# Allegro board 1281021_HW-FMC-XM500_Rev1_0.brd (continued)
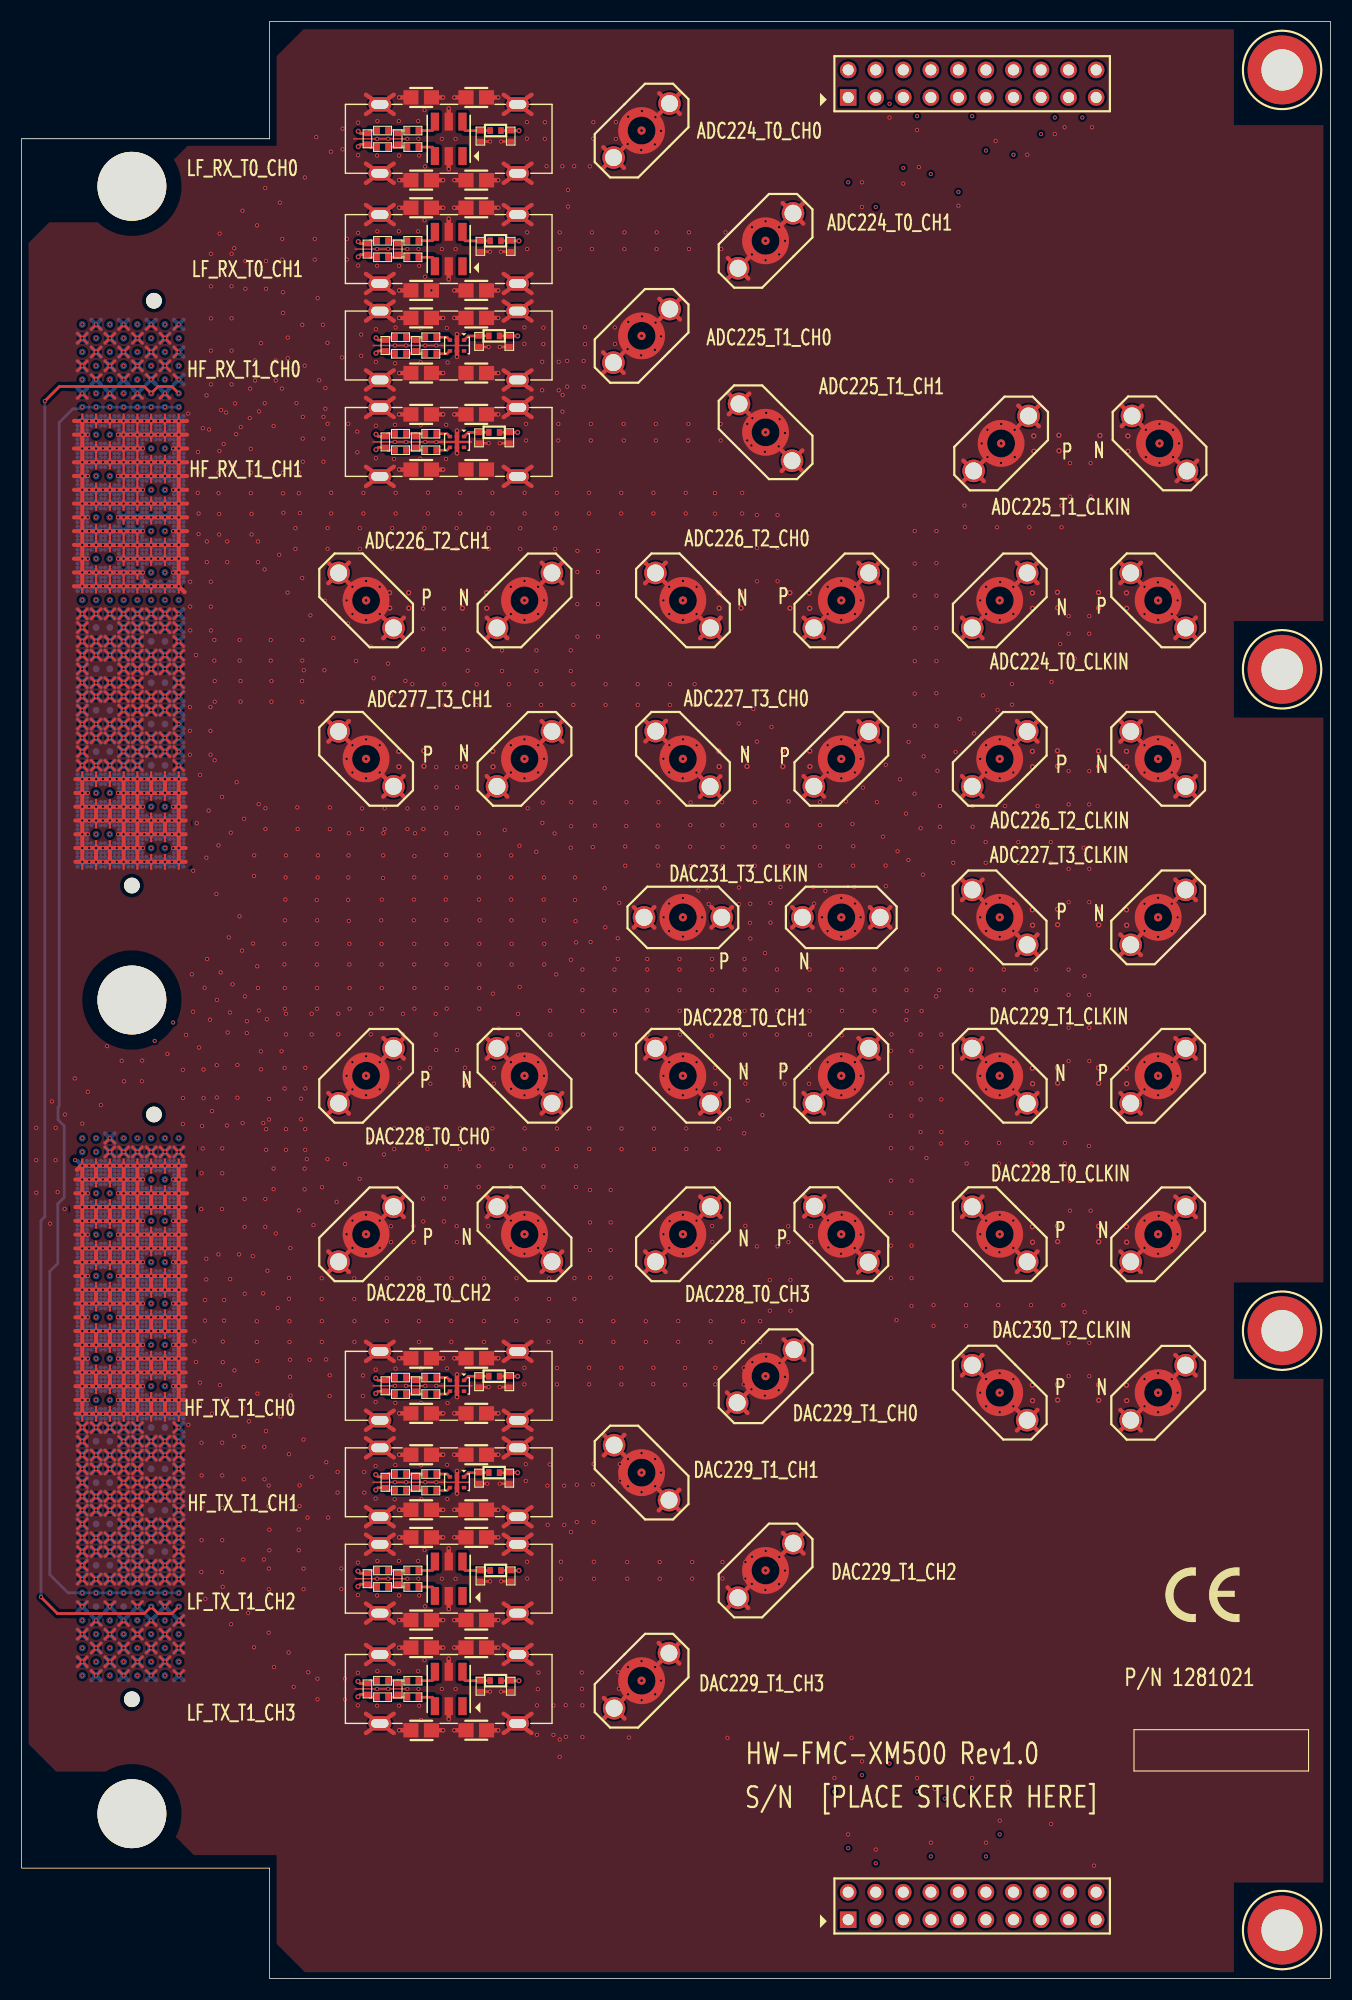
[diagram p0: board, top side]
## Routing (per net, layer and track width the routed paths; a pad name or vN(x,y) marks a point on that pad's centre or on a via; arc(x,y) is an arc through that point) (continued)
  L02_GND/RF-SIG w0.127: v1(32.67,149.79) 32.3,150.15 arc(32.14,150.27) 31.94,150.3 29.64,150.3 arc(29.4,150.26) 29.19,150.12 18.92,139.84 arc(18.59,139.62) 18.2,139.55 17.58,139.55 arc(17.47,139.5) 17.43,139.4 arc(17.38,139.29) 17.28,139.24 16.82,139.24 arc(16.71,139.29) 16.67,139.4 arc(16.62,139.5) 16.51,139.55 15.98,139.55 arc(15.73,139.5) 15.53,139.36 15.37,139.21 arc(15.04,138.99) 14.65,138.91 9.15,138.91
RFMC_ADC_02_P: length 33.1
  TOP w0.241: v1(32.67,151.2) 32.87,151 R45.1 33.79,151.26 R43.2
  L02_GND/RF-SIG w0.104: 9.15,139.29 9.12,139.29 9.04,139.21 7.71,139.21 arc(7.48,139.11) 7.38,138.88 7.38,138.57 arc(7.35,138.5) 7.28,138.46 v2(6.86,138.46)
  L02_GND/RF-SIG w0.127: 9.15,139.29 14.65,139.29 arc(14.9,139.34) 15.1,139.48 15.26,139.63 arc(15.59,139.85) 15.98,139.93 18.2,139.93 arc(18.44,139.98) 18.65,140.11 28.92,150.39 arc(29.25,150.61) 29.64,150.69 31.94,150.69 arc(32.14,150.72) 32.3,150.84 v1(32.67,151.2)
RFMC_ADC_03_N: length 33.9
  TOP w0.241: v1(32.67,140.9) 32.87,141.1 R38.2 33.79,140.84 R41.2
  L02_GND/RF-SIG w0.104: v2(13.21,137.19) 12.79,137.19 arc(12.71,137.23) 12.68,137.3 12.68,137.61 arc(12.71,137.69) 12.79,137.72 14.12,137.72 14.2,137.64 14.23,137.64
  L02_GND/RF-SIG w0.127: v1(32.67,140.9) 32.3,141.26 arc(32.14,141.38) 31.94,141.41 29.98,141.41 arc(29.26,141.71) 28.96,142.43 28.96,144.8 arc(28.78,145.25) 28.33,145.43 27.69,145.43 arc(27.24,145.25) 27.06,144.8 27.06,138.65 arc(26.76,137.94) 26.04,137.64 19.5,137.64 arc(19.4,137.59) 19.35,137.49 arc(19.31,137.38) 19.2,137.34 18.74,137.34 arc(18.63,137.38) 18.59,137.49 arc(18.55,137.59) 18.44,137.64 14.23,137.64
RFMC_ADC_03_P: length 33.9
  TOP w0.241: v1(32.67,142.31) 32.87,142.11 R38.1 33.79,142.37 R35.2
  L02_GND/RF-SIG w0.104: v2(11.94,137.19) 12.36,137.19 arc(12.43,137.23) 12.46,137.3 12.46,137.61 arc(12.56,137.84) 12.79,137.94 14.12,137.94 14.2,138.02 14.23,138.02
  L02_GND/RF-SIG w0.127: v1(32.67,142.31) 32.3,141.95 arc(32.14,141.83) 31.94,141.8 29.98,141.8 arc(29.53,141.98) 29.34,142.43 29.34,144.8 arc(29.05,145.52) 28.33,145.82 27.69,145.82 arc(26.97,145.52) 26.67,144.8 26.67,138.65 arc(26.49,138.21) 26.04,138.02 14.23,138.02
RFMC_ADC_04_N: length 78
  L02_GND/RF-SIG w0.104: 9.15,135.1 9.12,135.1 9.04,135.18 7.71,135.18 arc(7.63,135.15) 7.6,135.07 7.6,134.76 arc(7.63,134.69) 7.71,134.65 v2(8.13,134.65)
  L02_GND/RF-SIG w0.127: 9.15,135.1 14.62,135.1 arc(15.01,135.18) 15.33,135.4 15.53,135.59 arc(15.74,135.73) 15.98,135.78 67.91,135.78 arc(68.36,135.59) 68.54,135.15 68.54,127.63 arc(68.36,127.19) 67.91,127 v1(60.96,127)
RFMC_ADC_04_P: length 78
  L02_GND/RF-SIG w0.104: v2(6.86,134.65) 7.28,134.65 arc(7.35,134.69) 7.38,134.76 7.38,135.07 arc(7.48,135.3) 7.71,135.4 9.04,135.4 9.12,135.48 9.15,135.48
  L02_GND/RF-SIG w0.127: v1(75.56,127) 69.57,127 arc(69.12,127.19) 68.93,127.63 68.93,135.15 arc(68.64,135.86) 67.92,136.16 15.98,136.16 arc(15.59,136.08) 15.26,135.86 15.07,135.67 arc(14.86,135.53) 14.62,135.48 9.15,135.48
RFMC_ADC_05_N: length 77.9
  L02_GND/RF-SIG w0.104: 14.23,133.83 14.2,133.83 14.12,133.91 12.79,133.91 arc(12.71,133.88) 12.68,133.8 12.68,133.49 arc(12.71,133.42) 12.79,133.38 v2(13.21,133.38)
  L02_GND/RF-SIG w0.127: 14.23,133.83 23.09,133.83 arc(23.33,133.78) 23.54,133.64 24.37,132.81 arc(24.7,132.59) 25.08,132.51 51.36,132.51 arc(51.81,132.33) 52,131.88 52,122.27 arc(51.81,121.82) 51.36,121.63 38.81,121.63 arc(38.36,121.82) 38.17,122.27 38.17,126.37 arc(38.36,126.81) 38.81,127 v1(46.36,127)
RFMC_ADC_05_P: length 77.9
  L02_GND/RF-SIG w0.104: v2(11.94,133.38) 12.36,133.38 arc(12.43,133.42) 12.46,133.49 12.46,133.8 arc(12.56,134.03) 12.79,134.13 14.12,134.13 14.2,134.21 14.23,134.21
  L02_GND/RF-SIG w0.127: v1(31.75,127) 37.14,127 arc(37.59,126.81) 37.77,126.37 37.77,122.27 arc(38.07,121.55) 38.79,121.25 51.36,121.25 arc(52.08,121.55) 52.38,122.27 52.38,131.88 arc(52.08,132.6) 51.36,132.9 25.08,132.9 arc(24.84,132.94) 24.64,133.08 23.81,133.91 arc(23.48,134.13) 23.09,134.21 14.23,134.21
RFMC_ADC_06_N: length 78
  L02_GND/RF-SIG w0.104: 9.15,131.29 9.12,131.29 9.04,131.37 7.71,131.37 arc(7.63,131.34) 7.6,131.26 7.6,130.95 arc(7.63,130.88) 7.71,130.84 v2(8.13,130.84)
  L02_GND/RF-SIG w0.127: 9.15,131.29 21.79,131.29 arc(22.03,131.24) 22.24,131.1 34.91,118.43 arc(35.24,118.21) 35.63,118.13 64.45,118.13 arc(64.7,118.08) 64.9,117.94 68.32,114.52 arc(68.46,114.32) 68.51,114.07 68.51,113 arc(68.33,112.57) 67.91,112.4 v1(60.96,112.4)
RFMC_ADC_06_P: length 78
  L02_GND/RF-SIG w0.104: 9.15,131.67 9.12,131.67 9.04,131.59 7.71,131.59 arc(7.48,131.49) 7.38,131.26 7.38,130.95 arc(7.35,130.88) 7.28,130.84 v2(6.86,130.84)
  L02_GND/RF-SIG w0.127: v1(75.56,112.4) 69.65,112.4 arc(69.11,112.62) 68.89,113.15 68.89,114.07 arc(68.81,114.46) 68.59,114.79 65.17,118.21 arc(64.84,118.43) 64.45,118.51 35.63,118.51 arc(35.39,118.56) 35.18,118.7 22.51,131.37 arc(22.18,131.59) 21.79,131.67 9.15,131.67
RFMC_ADC_07_N: length 78.8
  L02_GND/RF-SIG w0.104: v2(13.21,129.57) 12.79,129.57 arc(12.71,129.61) 12.68,129.68 12.68,129.99 arc(12.71,130.07) 12.79,130.1 14.12,130.1 14.2,130.02 14.23,130.02
  L02_GND/RF-SIG w0.127: 46.34,112.41 v1(46.36,112.4) 40.01,112.4 arc(39.56,112.21) 39.37,111.76 39.37,107.7 arc(39.07,106.99) 38.36,106.69 22.18,106.69 arc(21.79,106.77) 21.46,106.99 16.57,111.88 arc(16.35,112.21) 16.27,112.6 16.27,117.79 arc(16.57,118.51) 17.29,118.81 26.13,118.81 arc(26.58,118.99) 26.77,119.44 26.77,121.58 arc(26.58,122.03) 26.13,122.21 17.31,122.21 arc(16.6,122.51) 16.3,123.23 16.3,129.07 arc(16.25,129.31) 16.11,129.52 15.8,129.83 arc(15.59,129.97) 15.35,130.02 14.23,130.02
RFMC_ADC_07_P: length 78.8
  L02_GND/RF-SIG w0.104: 14.23,130.4 14.2,130.4 14.12,130.32 12.79,130.32 arc(12.56,130.22) 12.46,129.99 12.46,129.68 arc(12.43,129.61) 12.36,129.57 v2(11.94,129.57)
  L02_GND/RF-SIG w0.127: 31.77,112.37 v1(31.75,112.4) 38.35,112.4 arc(38.8,112.21) 38.99,111.76 38.99,107.7 arc(38.8,107.26) 38.35,107.07 22.18,107.07 arc(21.94,107.12) 21.73,107.26 16.84,112.15 arc(16.7,112.36) 16.65,112.6 16.65,117.79 arc(16.84,118.24) 17.29,118.43 26.13,118.43 arc(26.85,118.72) 27.15,119.44 27.15,121.58 arc(26.85,122.29) 26.13,122.59 17.31,122.59 arc(16.86,122.78) 16.68,123.23 16.68,129.07 arc(16.6,129.46) 16.38,129.79 16.07,130.1 arc(15.74,130.32) 15.35,130.4 14.23,130.4
RFMC_DAC_00_N: length 77.6
  L02_GND/RF-SIG w0.104: 14.23,65.56 14.2,65.56 14.12,65.48 12.79,65.48 arc(12.71,65.51) 12.68,65.59 12.68,65.9 arc(12.71,65.97) 12.79,66.01 v2(13.21,66.01)
  L02_GND/RF-SIG w0.127: v1(46.36,83.19) 40.01,83.19 arc(39.56,83.37) 39.37,83.82 39.37,87.12 arc(39.08,87.84) 38.36,88.14 23.84,88.14 arc(23.12,87.84) 22.83,87.12 22.83,83.79 arc(23.12,83.07) 23.84,82.77 26.44,82.77 arc(26.89,82.59) 27.08,82.14 27.08,80.94 arc(26.89,80.49) 26.44,80.31 22.17,80.31 arc(21.45,80.01) 21.16,79.29 21.16,78.15 arc(21.45,77.43) 22.17,77.13 26.44,77.13 arc(26.89,76.94) 27.08,76.49 27.08,74.5 arc(26.89,74.06) 26.44,73.87 22.33,73.87 arc(21.61,73.57) 21.31,72.85 21.31,68.59 arc(21.17,68.26) 20.85,68.12 19.91,68.12 arc(19.19,67.82) 18.89,67.11 18.89,66.2 arc(18.7,65.75) 18.25,65.56 14.23,65.56
RFMC_DAC_00_P: length 77.6
  L02_GND/RF-SIG w0.104: v2(11.94,66.01) 12.36,66.01 arc(12.43,65.97) 12.46,65.9 12.46,65.59 arc(12.56,65.36) 12.79,65.26 14.12,65.26 14.2,65.18 14.23,65.18
  L02_GND/RF-SIG w0.127: 14.23,65.18 18.25,65.18 arc(18.97,65.48) 19.27,66.2 19.27,67.11 arc(19.46,67.55) 19.91,67.74 20.85,67.74 arc(21.44,67.99) 21.69,68.59 21.69,72.85 arc(21.88,73.3) 22.33,73.49 26.44,73.49 arc(27.16,73.79) 27.46,74.5 27.46,76.49 arc(27.16,77.21) 26.44,77.51 22.17,77.51 arc(21.72,77.7) 21.54,78.15 21.54,79.29 arc(21.72,79.74) 22.17,79.93 26.44,79.93 arc(27.16,80.22) 27.46,80.94 27.46,82.14 arc(27.16,82.85) 26.44,83.15 23.84,83.15 arc(23.39,83.34) 23.21,83.79 23.21,87.12 arc(23.39,87.57) 23.84,87.76 38.35,87.76 arc(38.8,87.57) 38.99,87.12 38.99,83.82 arc(38.8,83.37) 38.35,83.19 v1(31.75,83.19)
RFMC_DAC_01_N: length 78.5
  L02_GND/RF-SIG w0.104: v2(8.13,64.74) 7.71,64.74 arc(7.63,64.7) 7.6,64.63 7.6,64.32 arc(7.63,64.24) 7.71,64.21 9.04,64.21 9.12,64.29 9.15,64.29
  L02_GND/RF-SIG w0.127: 9.15,64.29 14.62,64.29 arc(15.01,64.21) 15.33,63.99 15.53,63.8 arc(15.74,63.66) 15.98,63.61 19.2,63.61 arc(19.44,63.66) 19.64,63.8 33.12,77.27 arc(33.45,77.49) 33.84,77.57 64.42,77.57 arc(64.66,77.62) 64.87,77.76 65.06,77.94 68.36,81.25 arc(68.5,81.45) 68.54,81.7 68.54,82.55 arc(68.37,83.01) 67.91,83.19 v1(60.96,83.19)
RFMC_DAC_01_P: length 78.5
  L02_GND/RF-SIG w0.104: 9.15,63.91 9.12,63.91 9.04,63.99 7.71,63.99 arc(7.48,64.09) 7.38,64.32 7.38,64.63 arc(7.35,64.7) 7.28,64.74 v2(6.86,64.74)
  L02_GND/RF-SIG w0.127: 9.15,63.91 14.62,63.91 arc(14.86,63.86) 15.07,63.72 15.26,63.53 arc(15.59,63.31) 15.98,63.23 19.2,63.23 arc(19.58,63.31) 19.91,63.53 33.39,77 arc(33.6,77.14) 33.84,77.19 64.42,77.19 arc(64.81,77.27) 65.14,77.49 68.75,81.1 arc(68.88,81.3) 68.93,81.55 68.93,82.55 arc(69.12,83) 69.57,83.19 v1(75.56,83.19)
RFMC_DAC_02_N: length 79.4
  L02_GND/RF-SIG w0.104: v2(13.21,62.2) 12.79,62.2 arc(12.71,62.16) 12.68,62.09 12.68,61.78 arc(12.71,61.7) 12.79,61.67 14.12,61.67 14.2,61.75 14.23,61.75
  L02_GND/RF-SIG w0.127: 14.23,61.75 21.68,61.75 arc(21.93,61.8) 22.13,61.94 23.66,63.47 arc(23.99,63.69) 24.38,63.77 52.52,63.77 arc(52.97,63.95) 53.16,64.4 53.16,73.07 arc(52.97,73.52) 52.52,73.7 38.81,73.7 arc(38.36,73.52) 38.17,73.07 38.17,69.22 arc(38.36,68.77) 38.81,68.58 v1(46.36,68.58)
RFMC_DAC_02_P: length 79.4
  L02_GND/RF-SIG w0.104: 14.23,61.37 14.2,61.37 14.12,61.45 12.79,61.45 arc(12.56,61.55) 12.46,61.78 12.46,62.09 arc(12.43,62.16) 12.36,62.2 v2(11.94,62.2)
  L02_GND/RF-SIG w0.127: v1(31.75,68.58) 37.16,68.58 arc(37.6,68.77) 37.79,69.22 37.79,73.07 arc(38.09,73.79) 38.81,74.08 52.52,74.08 arc(53.24,73.79) 53.54,73.07 53.54,64.4 arc(53.24,63.68) 52.52,63.38 24.38,63.38 arc(24.14,63.34) 23.93,63.2 22.4,61.67 arc(22.07,61.45) 21.68,61.37 14.23,61.37
RFMC_DAC_03_N: length 79.1
  L02_GND/RF-SIG w0.104: 9.15,60.48 9.12,60.48 9.04,60.4 7.71,60.4 arc(7.63,60.43) 7.6,60.51 7.6,60.82 arc(7.63,60.89) 7.71,60.93 v2(8.13,60.93)
  L02_GND/RF-SIG w0.127: v1(60.96,68.58) 67.91,68.58 arc(68.38,68.41) 68.54,67.94 68.54,67.04 arc(68.62,66.65) 68.84,66.32 69.55,65.62 arc(69.68,65.41) 69.73,65.17 69.73,61.25 arc(69.68,61) 69.55,60.8 68.73,59.99 arc(68.53,59.85) 68.29,59.8 15.98,59.8 arc(15.74,59.85) 15.53,59.99 15.33,60.18 arc(15.01,60.4) 14.62,60.48 9.15,60.48
RFMC_DAC_03_P: length 79.1
  L02_GND/RF-SIG w0.104: v2(6.86,60.93) 7.28,60.93 arc(7.35,60.89) 7.38,60.82 7.38,60.51 arc(7.48,60.28) 7.71,60.18 9.04,60.18 9.12,60.1 9.15,60.1
  L02_GND/RF-SIG w0.127: v1(75.56,68.58) 69.56,68.58 arc(69.11,68.39) 68.93,67.94 68.93,67.96 68.93,67.04 arc(68.97,66.8) 69.11,66.59 69.82,65.89 arc(70.04,65.56) 70.11,65.17 70.11,61.25 arc(70.04,60.86) 69.82,60.53 69,59.72 arc(68.67,59.5) 68.29,59.42 15.98,59.42 arc(15.59,59.5) 15.26,59.72 15.07,59.91 arc(14.86,60.05) 14.62,60.1 9.15,60.1
RFMC_DAC_04_N: length 33.3
  TOP w0.241: R13.2 33.79,55.37 R15.1 32.85,55.11 v1(32.64,55.31)
  L02_GND/RF-SIG w0.104: v2(13.21,58.39) 12.79,58.39 arc(12.71,58.35) 12.68,58.28 12.68,57.97 arc(12.71,57.89) 12.79,57.86 14.12,57.86 14.2,57.94 14.23,57.94
  L02_GND/RF-SIG w0.127: v1(32.64,55.31) 32.28,54.95 arc(32.11,54.84) 31.91,54.8 24.12,54.8 24.05,54.8 arc(23.48,55.47) 24.11,56.07 26.55,56.07 arc(27.49,57) 26.55,57.94 17.47,57.94 arc(17.37,57.99) 17.32,58.1 arc(17.27,58.21) 17.17,58.25 16.71,58.25 arc(16.6,58.21) 16.56,58.1 arc(16.51,57.99) 16.4,57.94 14.23,57.94
RFMC_DAC_04_P: length 33.3
  TOP w0.241: R18.2 33.79,53.85 R15.2 32.85,54.11 v1(32.64,53.91)
  L02_GND/RF-SIG w0.104: v2(11.94,58.39) 12.36,58.39 arc(12.43,58.35) 12.46,58.28 12.46,57.97 arc(12.56,57.74) 12.79,57.64 14.12,57.64 14.2,57.56 14.23,57.56
  L02_GND/RF-SIG w0.127: 14.23,57.56 26.55,57.56 arc(27.11,57) 26.55,56.45 24.11,56.45 arc(23.1,55.47) 24.03,54.42 24.12,54.42 24.51,54.42 31.91,54.42 arc(32.11,54.38) 32.28,54.27 v1(32.64,53.91)
RFMC_DAC_05_N: length 32.9
  TOP w0.241: v1(32.64,46.42) 32.85,46.22 R4.1 33.79,46.48 R1.2
  L02_GND/RF-SIG w0.104: 9.15,56.67 9.12,56.67 9.04,56.59 7.71,56.59 arc(7.63,56.62) 7.6,56.7 7.6,57.01 arc(7.63,57.08) 7.71,57.12 v2(8.13,57.12)
  L02_GND/RF-SIG w0.127: 9.15,56.67 14.62,56.67 arc(15.01,56.59) 15.33,56.37 15.53,56.18 arc(15.74,56.04) 15.98,55.99 16.44,55.99 arc(16.55,56.03) 16.6,56.14 arc(16.64,56.25) 16.75,56.3 17.21,56.3 arc(17.31,56.25) 17.36,56.14 arc(17.4,56.03) 17.51,55.99 18.15,55.99 arc(18.54,55.91) 18.87,55.69 28.46,46.1 arc(28.67,45.96) 28.91,45.91 31.91,45.91 arc(32.11,45.95) 32.28,46.06 v1(32.64,46.42)
RFMC_DAC_05_P: length 32.9
  TOP w0.241: v1(32.64,45.02) 32.85,45.22 R4.2 33.79,44.96 R7.2
  L02_GND/RF-SIG w0.104: 9.15,56.29 9.12,56.29 9.04,56.37 7.71,56.37 arc(7.48,56.47) 7.38,56.7 7.38,57.01 arc(7.35,57.08) 7.28,57.12 v2(6.86,57.12)
  L02_GND/RF-SIG w0.127: 9.15,56.29 14.62,56.29 arc(14.86,56.24) 15.07,56.1 15.26,55.91 arc(15.59,55.69) 15.98,55.61 18.15,55.61 arc(18.39,55.56) 18.6,55.42 28.19,45.83 arc(28.52,45.61) 28.91,45.53 31.91,45.53 arc(32.11,45.49) 32.28,45.38 v1(32.64,45.02)
RFMC_DAC_06_N: length 46.1
  TOP w0.241: v1(31,37.52) 31.2,37.33 R31.2 32.14,37.59 R34.2
  L02_GND/RF-SIG w0.104: 14.23,54.13 14.2,54.13 14.12,54.05 12.79,54.05 arc(12.71,54.08) 12.68,54.16 12.68,54.47 arc(12.71,54.54) 12.79,54.58 v2(13.21,54.58)
  L02_GND/RF-SIG w0.127: v1(31,37.52) 30.64,37.16 arc(30.47,37.05) 30.28,37.01 22.2,37.01 arc(21.76,37.19) 21.57,37.64 21.57,39.57 arc(21.76,40.02) 22.2,40.21 26.17,40.21 arc(27.1,40.59) 27.49,41.53 27.49,43.34 arc(27.1,44.27) 26.17,44.66 22.23,44.66 arc(21.78,44.85) 21.6,45.3 21.6,49.21 arc(21.52,49.6) 21.3,49.93 17.4,53.83 arc(17.07,54.05) 16.68,54.13 16.08,54.13 arc(15.97,54.18) 15.92,54.29 arc(15.88,54.4) 15.77,54.44 15.32,54.44 arc(15.21,54.4) 15.16,54.29 arc(15.12,54.18) 15.01,54.13 14.23,54.13
RFMC_DAC_06_P: length 46.1
  TOP w0.241: v1(31,36.11) 31.22,36.33 R31.1 32.14,36.07 R28.2
  L02_GND/RF-SIG w0.104: 14.23,53.75 14.2,53.75 14.12,53.83 12.79,53.83 arc(12.56,53.93) 12.46,54.16 12.46,54.47 arc(12.43,54.54) 12.36,54.58 v2(11.94,54.58)
  L02_GND/RF-SIG w0.127: v1(31,36.11) 30.64,36.48 arc(30.47,36.59) 30.28,36.63 22.2,36.63 arc(21.49,36.92) 21.19,37.64 21.19,39.57 arc(21.49,40.29) 22.2,40.59 26.17,40.59 arc(26.83,40.86) 27.11,41.53 27.11,43.34 arc(26.83,44.01) 26.17,44.28 22.23,44.28 arc(21.51,44.58) 21.22,45.3 21.22,49.21 arc(21.17,49.46) 21.03,49.66 17.13,53.56 arc(16.92,53.7) 16.68,53.75 14.23,53.75
RFMC_DAC_07_N: length 45.9
  TOP w0.241: R26.2 32.14,27.43 R23.2 31.2,27.17 v1(31,27.36)
  L02_GND/RF-SIG w0.104: v2(8.13,53.31) 7.71,53.31 arc(7.63,53.27) 7.6,53.2 7.6,52.89 arc(7.63,52.81) 7.71,52.78 9.04,52.78 9.12,52.86 9.15,52.86
  L02_GND/RF-SIG w0.127: 9.15,52.86 14.62,52.86 arc(15.01,52.78) 15.33,52.56 15.75,52.14 arc(15.86,52.1) 15.98,52.14 arc(16.09,52.19) 16.2,52.14 16.51,51.83 arc(16.56,51.72) 16.51,51.61 arc(16.47,51.49) 16.51,51.38 17.43,50.47 arc(17.65,50.14) 17.72,49.75 17.72,36.08 arc(17.77,35.84) 17.91,35.63 26.51,27.03 arc(26.72,26.9) 26.96,26.85 30.28,26.85 arc(30.47,26.89) 30.64,27 v1(31,27.36)
RFMC_DAC_07_P: length 45.9
  TOP w0.241: v1(31,25.95) 31.22,26.17 R23.1 32.14,25.91 R20.2
  L02_GND/RF-SIG w0.104: 9.15,52.48 9.12,52.48 9.04,52.56 7.71,52.56 arc(7.48,52.66) 7.38,52.89 7.38,53.2 arc(7.35,53.27) 7.28,53.31 v2(6.86,53.31)
  L02_GND/RF-SIG w0.127: 9.15,52.48 14.62,52.48 arc(14.86,52.43) 15.07,52.29 17.16,50.2 arc(17.29,50) 17.34,49.75 17.34,36.08 arc(17.42,35.69) 17.64,35.36 26.24,26.76 arc(26.57,26.54) 26.96,26.47 30.28,26.47 arc(30.47,26.43) 30.64,26.32 v1(31,25.95)
RFMC_I2C_SCL:
  vias: v2(6.86,146.08)
RFMC_I2C_SDA:
  vias: v2(9.4,146.08)
UTIL_3V3: length 131.2
  BOTTOM w0.254: v2(14.48,144.81) v2(13.21,144.81) v2(11.94,144.81) v2(10.67,144.81) v2(9.4,144.81) v2(8.13,144.81) v2(6.86,144.81) v2(5.59,144.81) 5.43,144.66 4.72,144.66 3.45,143.39 3.45,80.4 3.35,80.3 3.35,79.13 3.91,78.57 3.91,71.96 3.33,71.38 3.33,65.89 2.59,65.16 2.59,37.22 4.28,35.53 v2(5.59,35.53) v2(6.86,35.53) v2(8.13,35.53) v2(9.4,35.53) v2(10.67,35.53) v2(11.94,35.53) v2(13.21,35.53) v2(14.48,35.53)
VCM01_224:
  vias: v2(14.48,127.03)
VCM01_225:
  vias: v2(11.94,127.03)
VCM01_226:
  vias: v2(9.4,127.03)
VCM01_227:
  vias: v2(6.86,127.03)
VCM23_224:
  vias: v2(13.21,127.03)
VCM23_225:
  vias: v2(10.67,127.03)
VCM23_226:
  vias: v2(8.13,127.03)
VCM23_227:
  vias: v2(5.59,127.03)
N21418007: length 2.4
  TOP w0.241: R118.2 42.17,142.49 R96.1 41.17,142.49 U6.1
N21418010: length 24.5
  TOP w0.241: v1(45.72,142.49) R95.1 44.95,142.49 R118.1
  L02_GND/RF-SIG w0.127: v1(68.58,142.49) 45.73,142.49 v1(45.72,142.49)
N21418022: length 2.1
  TOP w0.241: 36.32,142.37 R35.1 ; 36.32,142.37 R37.1 ; 36.32,142.37 C11.2
N21418024: length 2.1
  TOP w0.241: 36.32,140.84 R41.1 ; 36.32,140.84 R37.2 ; 36.32,140.84 C12.2
N21418030: length 1.4
  TOP w0.241: C11.1 39.21,142.37 U6.3
N21418037: length 1.4
  TOP w0.241: U6.4 39.21,140.84 C12.1
N21418044: length 2.4
  TOP w0.241: R117.2 42.17,151.38 R98.1 41.17,151.38 U7.1
N21418047: length 24.5
  TOP w0.241: R117.1 44.07,151.38 R97.1 v1(45.72,151.38)
  L02_GND/RF-SIG w0.127: v1(57.15,151.38) 51.41,151.38 arc(51.16,151.28) 51.05,151.03 51.05,145.81 arc(50.87,145.36) 50.42,145.18 49.38,145.18 arc(48.93,145.36) 48.74,145.81 48.74,150.75 arc(48.56,151.2) 48.11,151.38 45.73,151.38 v1(45.72,151.38)
N21418055: length 2.1
  TOP w0.241: R44.1 36.32,151.26 ; 36.32,151.26 R43.1 ; 36.32,151.26 C13.2
N21418057: length 2.1
  TOP w0.241: C14.2 36.32,149.73 ; 36.32,149.73 R44.2 ; 36.32,149.73 R48.1
N21418063: length 1.4
  TOP w0.241: U7.3 39.21,151.26 C13.1
N21418070: length 1.4
  TOP w0.241: U7.4 39.21,149.73 C14.1
N21418077: length 3.2
  TOP w0.241: U8.6 40.64,160.38 40.88,160.14 R100.1 43.18,160.14 R116.2
N21418080: length 24.4
  TOP w0.241: R116.1 45.08,160.15 R99.1 v1(45.85,160.14)
  L02_GND/RF-SIG w0.127: v1(68.58,160.15) 45.85,160.15 v1(45.85,160.14)
N21418088: length 2.1
  TOP w0.241: R49.1 34.67,158.62 ; 34.67,158.62 R51.1 ; 34.67,158.62 C15.2
N21418090: length 2.1
  TOP w0.241: R55.1 34.67,160.15 ; 34.67,160.15 R51.2 ; 34.67,160.15 C16.2
N21418096: length 2.2
  TOP w0.241: U8.3 38.1,158.38 37.86,158.62 C15.1
N21418103: length 2.2
  TOP w0.241: C16.1 37.86,160.15 38.1,160.39 U8.4
N21418110: length 3.2
  TOP w0.241: R115.2 R102.1 40.88,170.3 40.64,170.54 U9.6
N21418113: length 24.4
  TOP w0.241: v1(45.85,170.3) R101.1 45.08,170.31 R115.1
  L02_GND/RF-SIG w0.127: v1(45.85,170.3) 45.85,170.31 48.51,170.31 arc(48.96,170.12) 49.15,169.67 49.15,164.69 arc(49.33,164.24) 49.78,164.05 51,164.05 arc(51.45,164.24) 51.64,164.69 51.64,169.67 arc(51.82,170.12) 52.27,170.31 v1(57.15,170.31)
N21418117: length 2.1
  TOP w0.241: 34.67,168.78 C17.2 ; 34.67,168.78 R58.1 ; 34.67,168.78 R57.1
N21418119: length 2.1
  TOP w0.241: R58.2 34.67,170.31 ; 34.67,170.31 C18.2 ; 34.67,170.31 R62.1
N21418125: length 2.2
  TOP w0.241: C17.1 37.86,168.78 38.1,168.54 U9.3
N21418132: length 2.2
  TOP w0.241: U9.4 38.1,170.55 37.86,170.31 C18.1
N21476809: length 24.5
  TOP w0.241: R111.1 44.07,46.6 R109.1 44.97,46.61 v1(45.72,46.61)
  L02_GND/RF-SIG w0.127: v1(57.15,46.61) 52.58,46.61 arc(52.15,46.43) 51.97,46 51.97,40.99 arc(51.78,40.54) 51.33,40.35 49.91,40.35 arc(49.46,40.54) 49.28,40.99 49.28,45.97 arc(49.09,46.42) 48.64,46.61 v1(45.72,46.61)
N21476811: length 24.5
  TOP w0.241: R112.1 44.95,55.5 R107.1 v1(45.72,55.49)
  L02_GND/RF-SIG w0.127: v1(68.58,55.5) 45.73,55.5 v1(45.72,55.49)
N21476813: length 24.4
  TOP w0.241: v1(45.85,27.42) R105.1 45.08,27.43 R113.1
  L02_GND/RF-SIG w0.127: v1(57.15,27.43) 51.5,27.43 arc(51.09,27.26) 50.93,26.86 50.93,21.81 arc(50.74,21.36) 50.29,21.18 48.89,21.18 arc(48.45,21.36) 48.26,21.81 48.26,26.8 arc(48.07,27.25) 47.62,27.43 45.85,27.43 v1(45.85,27.42)
N21476815: length 24.4
  TOP w0.241: v1(45.85,37.58) R103.1 45.08,37.59 R114.1
  L02_GND/RF-SIG w0.127: v1(68.58,37.59) 45.85,37.59 v1(45.85,37.58)
N21476841: length 2.4
  TOP w0.241: U1.1 41.17,46.6 R110.1 42.17,46.61 R111.2
N21476891: length 2.1
  TOP w0.241: C1.2 36.32,46.48 ; 36.32,46.48 R3.1 ; 36.32,46.48 R1.1
N21476895: length 2.1
  TOP w0.241: R7.1 36.32,44.96 ; 36.32,44.96 R3.2 ; 36.32,44.96 C2.2
N21476935: length 1.4
  TOP w0.241: C1.1 39.21,46.48 U1.3
N21476949: length 1.4
  TOP w0.241: C2.1 39.21,44.96 U1.4
N21477094: length 3.2
  TOP w0.241: U4.6 40.64,27.67 40.88,27.42 R106.1 43.18,27.42 R113.2
N21477134: length 2.1
  TOP w0.241: R22.1 34.67,25.91 ; 34.67,25.91 C7.2 ; 34.67,25.91 R20.1
N21477138: length 2.1
  TOP w0.241: 34.67,27.43 C8.2 ; 34.67,27.43 R26.1 ; 34.67,27.43 R22.2
N21477150: length 2.2
  TOP w0.241: C7.1 37.86,25.91 38.1,25.67 U4.3
N21477160: length 2.2
  TOP w0.241: C8.1 37.86,27.43 38.1,27.67 U4.4
N21477168: length 3.2
  TOP w0.241: R114.2 43.18,37.58 R104.1 40.88,37.58 40.64,37.83 U5.6
N21477182: length 2.1
  TOP w0.241: R28.1 34.67,36.07 ; 34.67,36.07 C9.2 ; 34.67,36.07 R30.1
N21477186: length 2.1
  TOP w0.241: R34.1 34.67,37.59 ; 34.67,37.59 C10.2 ; 34.67,37.59 R30.2
N21477198: length 2.2
  TOP w0.241: U5.3 38.1,35.83 37.86,36.07 C9.1
N21477208: length 2.2
  TOP w0.241: C10.1 37.86,37.59 38.1,37.83 U5.4
N21477544: length 2.4
  TOP w0.241: U3.1 41.17,55.49 R108.1 43.05,55.49 R112.2
N21477617: length 2.1
  TOP w0.241: R14.1 36.32,55.37 ; 36.32,55.37 C5.2 ; 36.32,55.37 R13.1
N21477645: length 2.1
  TOP w0.241: 36.32,53.85 C6.2 ; 36.32,53.85 R14.2 ; 36.32,53.85 R18.1
N21477697: length 1.4
  TOP w0.241: C5.1 39.21,55.37 U3.3
N21477711: length 1.4
  TOP w0.241: U3.4 39.21,53.85 C6.1

## Copper pours and planes (outline as drawn; the poured copper is in the pictures)
AGND on TOP (solid shape): outline of 186 points within 29.59,124.84 33.91,129.16
AGND on TOP (solid shape): outline of 186 points within 29.59,110.24 33.91,114.55
AGND on TOP (solid shape): outline of 186 points within 29.59,81.03 33.91,85.34
AGND on TOP (solid shape): outline of 186 points within 29.59,66.42 33.91,70.74
AGND on TOP (solid shape): outline of 186 points within 44.2,124.84 48.51,129.16
AGND on TOP (solid shape): outline of 186 points within 44.2,110.24 48.51,114.55
AGND on TOP (solid shape): outline of 186 points within 44.2,81.03 48.51,85.34
AGND on TOP (solid shape): outline of 186 points within 44.2,66.42 48.51,70.74
AGND on TOP (solid shape): outline of 186 points within 54.99,168.15 59.31,172.47
AGND on TOP (solid shape): outline of 186 points within 54.99,149.22 59.31,153.54
AGND on TOP (solid shape): outline of 186 points within 54.99,44.45 59.31,48.77
AGND on TOP (solid shape): outline of 186 points within 54.99,25.27 59.31,29.59
AGND on TOP (solid shape): outline of 186 points within 58.8,124.84 63.12,129.16
AGND on TOP (solid shape): outline of 186 points within 58.8,110.24 63.12,114.55
AGND on TOP (solid shape): outline of 186 points within 58.8,95.63 63.12,99.95
AGND on TOP (solid shape): outline of 186 points within 58.8,81.03 63.12,85.34
AGND on TOP (solid shape): outline of 186 points within 58.8,66.42 63.12,70.74
AGND on TOP (solid shape): outline of 186 points within 66.42,157.99 70.74,162.31
AGND on TOP (solid shape): outline of 186 points within 66.42,140.33 70.74,144.65
AGND on TOP (solid shape): outline of 186 points within 66.42,53.34 70.74,57.66
AGND on TOP (solid shape): outline of 186 points within 66.42,35.43 70.74,39.75
AGND on TOP (solid shape): outline of 186 points within 73.41,124.84 77.72,129.16
AGND on TOP (solid shape): outline of 186 points within 73.41,110.24 77.72,114.55
AGND on TOP (solid shape): outline of 186 points within 73.41,95.63 77.72,99.95
AGND on TOP (solid shape): outline of 186 points within 73.41,81.03 77.72,85.34
AGND on TOP (solid shape): outline of 186 points within 73.41,66.42 77.72,70.74
AGND on TOP (solid shape): outline of 186 points within 88.01,124.84 92.33,129.16
AGND on TOP (solid shape): outline of 186 points within 88.01,110.24 92.33,114.55
AGND on TOP (solid shape): outline of 186 points within 88.01,95.63 92.33,99.95
AGND on TOP (solid shape): outline of 186 points within 88.01,81.03 92.33,85.34
AGND on TOP (solid shape): outline of 186 points within 88.01,66.42 92.33,70.74
AGND on TOP (solid shape): outline of 186 points within 88.01,51.82 92.33,56.13
AGND on TOP (solid shape): outline of 186 points within 88.14,139.31 92.46,143.63
AGND on TOP (solid shape): outline of 186 points within 102.62,124.84 106.93,129.16
AGND on TOP (solid shape): outline of 186 points within 102.62,110.24 106.93,114.55
AGND on TOP (solid shape): outline of 186 points within 102.62,95.63 106.93,99.95
AGND on TOP (solid shape): outline of 186 points within 102.62,81.03 106.93,85.34
AGND on TOP (solid shape): outline of 186 points within 102.62,66.42 106.93,70.74
AGND on TOP (solid shape): outline of 186 points within 102.62,51.82 106.93,56.13
AGND on TOP (solid shape): outline of 186 points within 102.74,139.31 107.06,143.63
AGND on L02_GND/RF-SIG (solid shape): 15.86,134.6 15.49,134.6 15.42,134.53 11.88,134.53 11.87,134.53 11.87,134.7 11.95,134.78 15.88,134.78
